# Altium PCB VFD-Clock.PcbDoc (part 1 of 2)
Units mm, origin at the board's own origin, x right, y up, seen from the top; angles counter-clockwise.
Board outline 190 x 65 mm, 2 copper layers (Top Layer, Bottom Layer); 129 components, 178 nets, 743 pads, 391 vias.
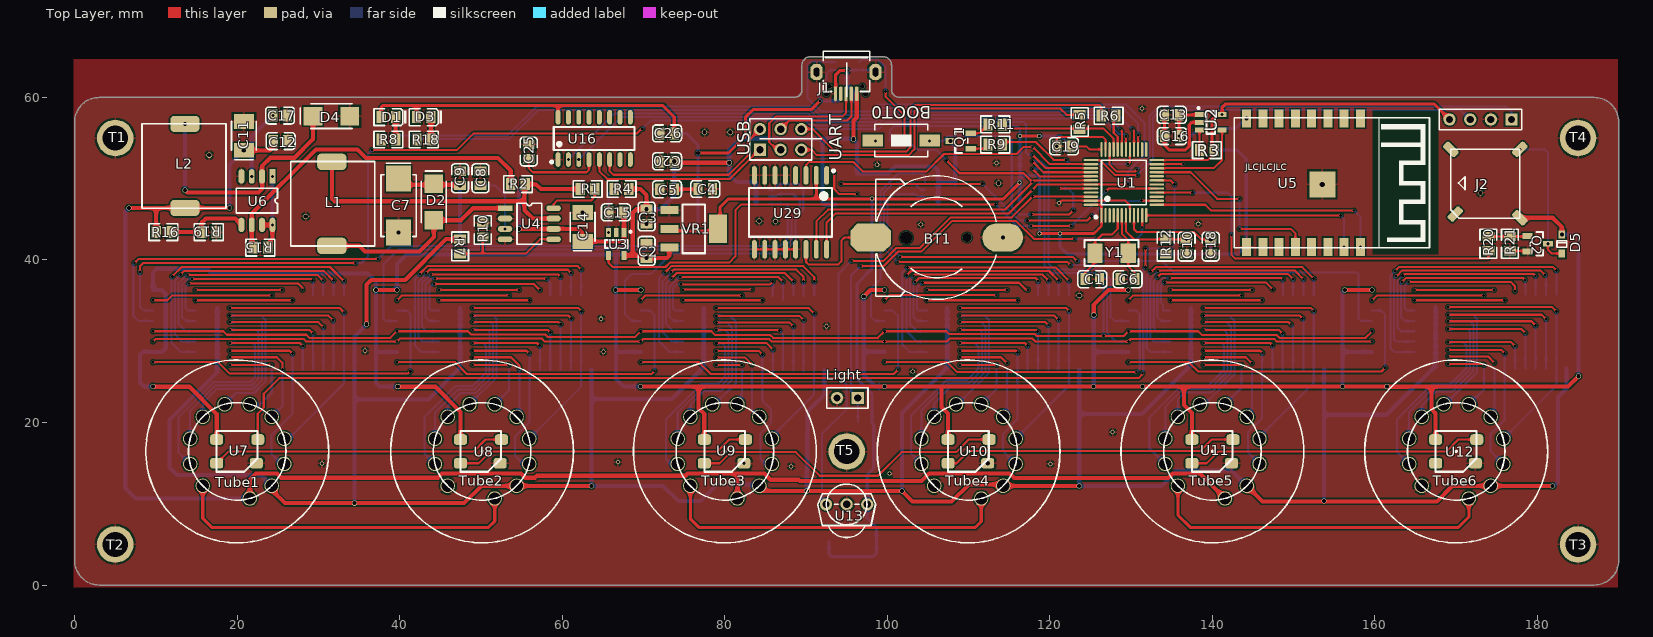
[diagram p0: Top Layer view]
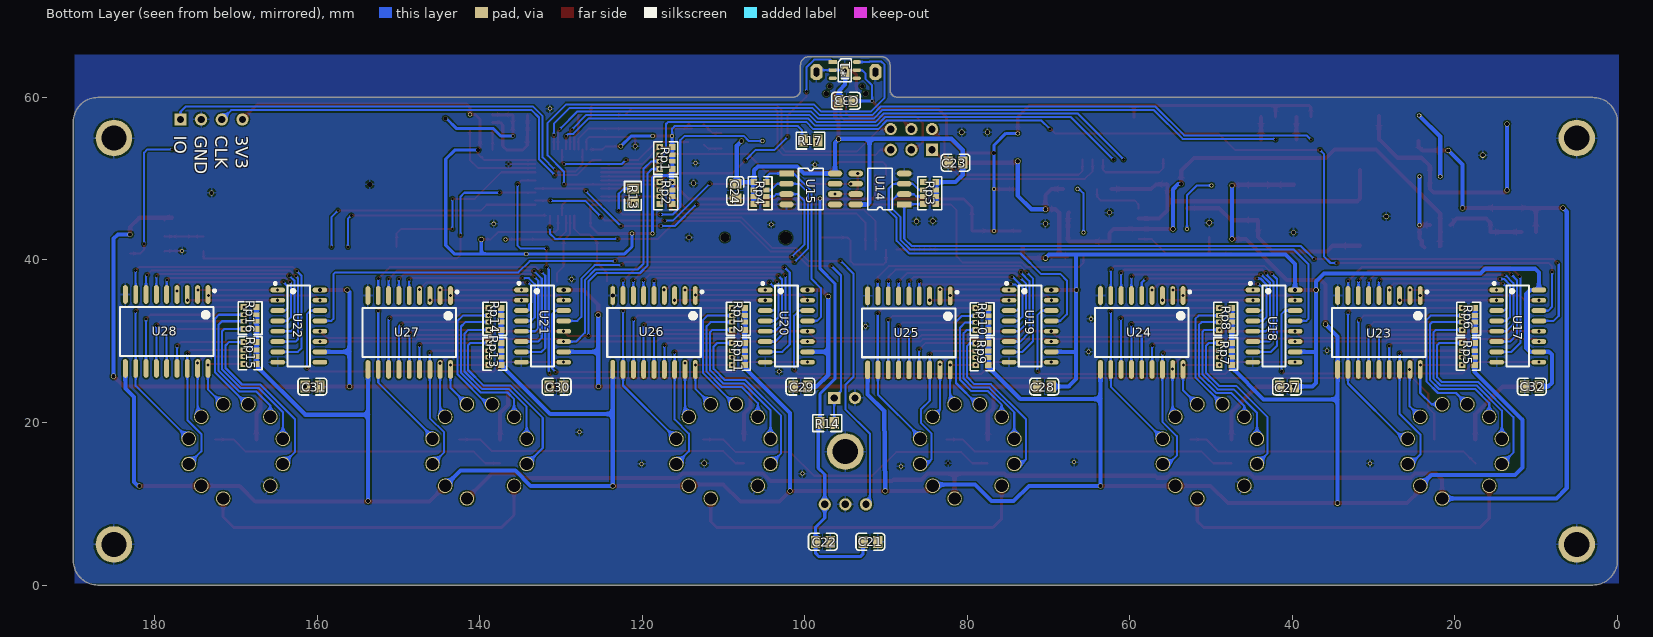
[diagram p1: Bottom Layer view, seen from below]
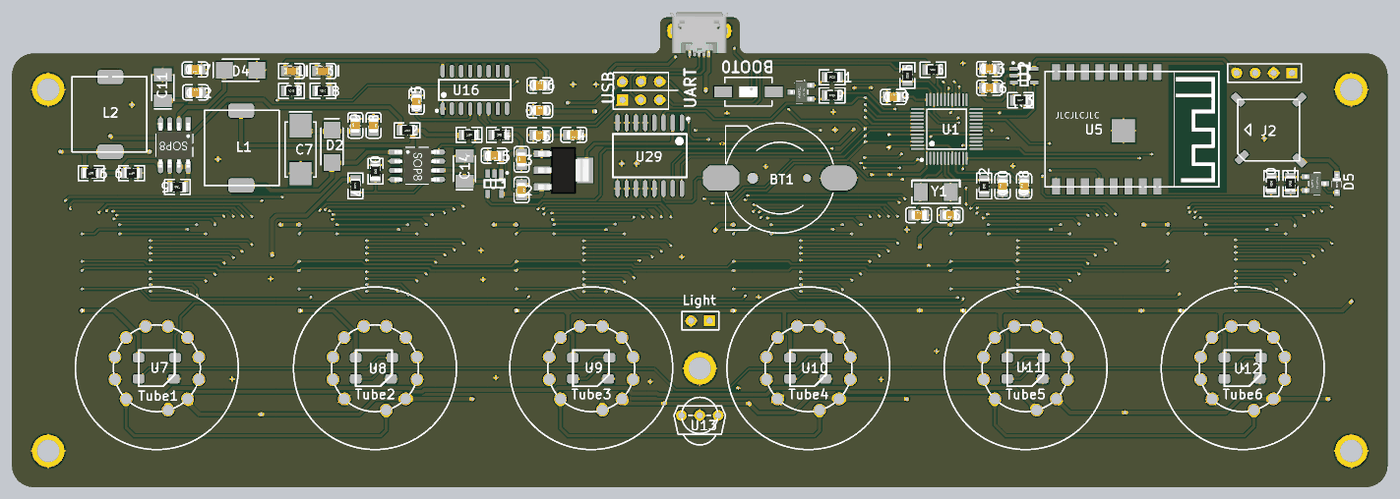
[diagram p3: 3D render of the assembled board from above, using the file's embedded part models]
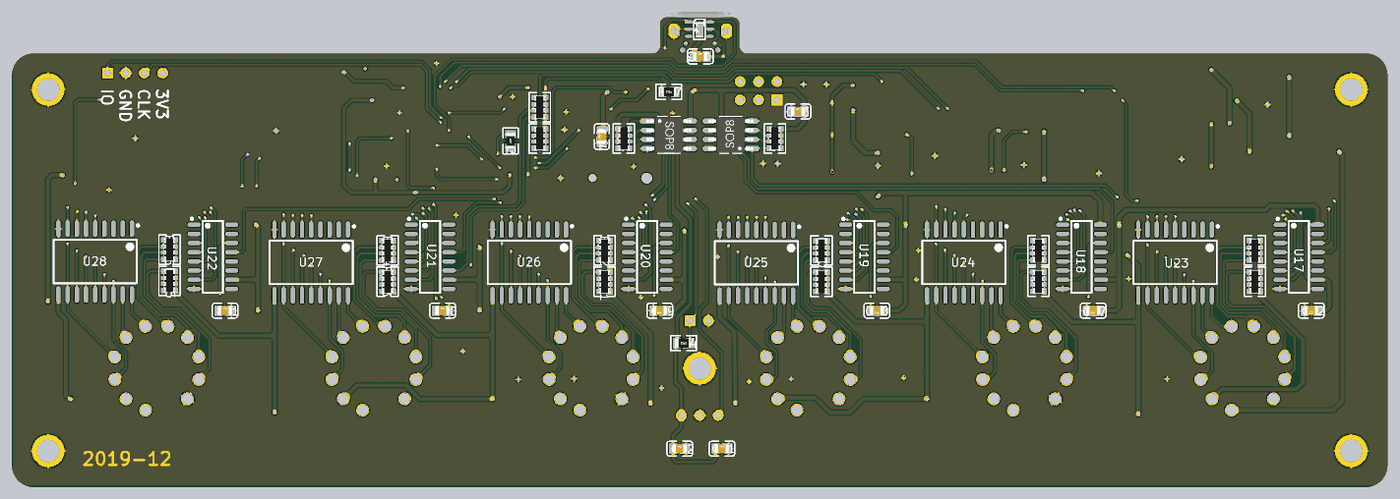
[diagram p4: 3D render of the assembled board from below, using the file's embedded part models]

## Layer stack, top to bottom
Top Solder: solder mask 0.0102, Solder Resist, Dk 3.5
Top Layer: signal copper 0.0356
Dielectric1: dielectric 0.32, FR-4, Dk 4.8
Bottom Layer: signal copper 0.0356
Bottom Solder: solder mask 0.0102, Solder Resist, Dk 3.5

## Board outline
3,0 cw(c3,3) 0,3 0,57 cw(c3,57) 3,60 88.5,60 ccw(c88.5,61) 89.5,61 89.5,64 cw(c90.5,64) 90.5,65 99.519,65 cw(c99.519,64) 100.519,64 100.519,61 ccw(c101.519,61) 101.519,60 187,60 cw(c187,57) 190,57 190,3 cw(c187,3) 187,0

## Design rules (kind name [scope] priority, off if disabled: settings)
Clearance [All] p1: gap=0.178 ignorepadtopadclearanceinfootprint=FALSE
ComponentClearance [All] p1: gap=1.27 collisioncheckmode=3 verticalgap=1.27 showdistances=FALSE
DiffPairsRouting [All] p1: maxlimit=0.381 minlimit=0.254 mostfreqgap=0.254 toplayer_minwidth=0.381 toplayer_maxwidth=0.381 toplayer_prefwidth=0.381 bottomlayer_minwidth=0.381 bottomlayer_maxwidth=0.381 bottomlayer_prefwidth=0.381 maxuncoupledlength=12.7
Height [All] p1: minheight=0 maxheight=50.8 prefheight=12.7
PolygonConnect [All] p1: connectstyle=Relief reliefconductorwidth=0.254 reliefentries=4 polygonreliefangle="90 Angle" airgapwidth=0.254
RoutingVias [All] p1: holewidth=0.711 width=1.27 viastyle="Through Hole" minholewidth=0.711 minwidth=1.27 maxholewidth=0.711 maxwidth=1.27
SolderMaskExpansion [All] p1: expansion=0.102
Width [All] p1: maxlimit=0.762 minlimit=0.178 preferedwidth=0.254
27 further rules are at their usual default settings.

## Classes and differential pairs
differential pair USB: +USB_P -USB_N

## Components (designator, comment, footprint, x,y, rotation, side; value= is the part's Value field where it differs from the comment)
*1 "SHT20" DFN6 93.65,62.382 r0 bottom
BOOT0 "SW-PB" SW_PB2_A1 101.778,54.712 r90 top (schematic designator S2)
BT1 "Battery" CR1220 106.07,42.762 r270 top
C1 "20pF" 0805_C 125.223,37.631 r0 top
C2 "100nF" 0805_C 70.385,41.111 r270 top
C3 "10uF" 0805_C 70.385,45.352 r90 top
C4 "10uF" 0805_C 77.598,48.731 r180 top
C5 "100nF" 0805_C 72.898,48.705 r0 top
C6 "20pF" 0805_C 129.567,37.631 r180 top
C7 "100uF/35V" CAP-7343 39.854,46.699 r270 top
C8 "470pF" 0805_C 49.938,50.051 r270 top
C9 "100nF" 0805_C 47.423,50.051 r90 top
C10 "100nF" 0805_C 136.831,41.644 r90 top
C11 "220uF/6.3V" CAP-3528 20.829,55.258 r90 top
C12 "100nF" 0805_C 25.35,54.623 r0 top
C13 "10uF" 0805_C 135.001,57.861 r180 top
C14 "220uF/6.3V" CAP-3528 62.511,44.057 r90 top
C15 "100nF" 0805_C 66.6,45.86 r180 top
C16 "100nF" 0805_C 135.026,55.248 r180 top
C17 "470pF" 0805_C 25.274,57.773 r180 top
C18 "100nF" 0805_C 139.803,41.644 r90 top
C19 "100nF" 0805_C 121.743,53.988 r0 top
C20 "10uF" 0805_C 72.898,52.14 r0 top
C21 "10uF" 0805_C 91.924,5.322 r180 bottom
C22 "100nF" 0805_C 97.766,5.322 r180 bottom
C23 "100nF" 0805_C 81.44,51.97 r180 bottom
C24 "100nF" 0805_C 108.534,48.489 r90 bottom
C25 "100nF" 0805_C 55.88,53.34 r270 top
C26 "100nF" 0805_C 72.898,55.575 r0 top
C27 "100nF" 0805_C 40.657,24.423 r0 bottom
C28 "100nF" 0805_C 70.525,24.423 r0 bottom
C29 "100nF" 0805_C 100.525,24.423 r0 bottom
C30 "100nF" 0805_C 130.525,24.423 r180 bottom
C31 "100nF" 0805_C 160.581,24.423 r180 bottom
C32 "100nF" 0805_C 10.525,24.423 r0 bottom
C33 "100nF" 0805_C 94.92,59.588 r180 bottom
D1 "红灯" 0805_LED_S1 38.61,57.578 r180 top
D2 "FR107" DIODE-SMA 44.197,44.891 r90 top
D3 "蓝灯" 0805_LED_S1 42.953,57.57 r180 top
D4 "FR107" DIODE-SMA 33.834,57.697 r180 top
D5 "1N4148WS T4" SOD-323 183.008,41.974 r270 top
J1 "USB_M" USB_Micro2 94.927,60.469 r180 top
J2 "BEEP" BEEP-SMD-8530-3V-2.7KHZ 169.327,45.145 r0 top
L1 "220uH" CDRH104R 26.595,52.109 r0 top
L2 "220uH" CDRH104R 18.619,46.382 r180 top
Light "Light Resister" HDR2X1_A 96.352,23.026 r180 top (schematic designator P2)
P1 "JumpHat" HDR2X3 84.334,53.564 r0 top
P3 "Header 4" HDR4X1_A 176.811,57.29 r180 top
Q1 "A42" SOT-23(SOT-23-3) 109.01,54.649 r0 top
Q2 "A42" SOT-23(SOT-23-3) 180.036,41.999 r180 top
R1 "100Ω" 0805_R 63.12,48.731 r180 top
R2 "0.33Ω" 0805_R 54.56,49.34 r180 top
R3 "10KΩ" 0805_R 139.319,53.518 r0 top
R4 "10KΩ" 0805_R 67.311,48.731 r0 top
R5 "10Ω" 0805_R 123.673,56.972 r270 top
R6 "10Ω" 0805_R 127.229,57.753 r180 top
R7 "47kΩ" 0805_R 47.423,41.669 r90 top
R8 "1KΩ" 0805_R 38.609,54.827 r180 top
R9 "1KΩ" 0805_R 113.279,54.197 r180 top
R10 "2K2" 0805_R 50.217,43.684 r270 top
R11 "1.5KΩ" 0805_R 113.279,56.686 r0 top
R12 "1KΩ" 0805_R 134.266,41.644 r270 top
R13 "10KΩ" 0805_R 121.134,47.892 r90 bottom
R14 "1KΩ" 0805_R 97.232,19.927 r0 bottom
R15 "0.33Ω" 0805_R 22.86,41.528 r180 top
R16 "3.3KΩ" 0805_R 10.922,43.434 r180 top
R17 "1KΩ" 0805_R 99.289,54.686 r0 bottom
R18 "1KΩ" 0805_R 42.965,54.827 r180 top
R19 "3.3KΩ" 0805_R 16.51,43.434 r180 top
R20 "1KΩ" 0805_R 173.966,41.999 r90 top
R21 "1KΩ" 0805_R 176.607,41.999 r90 top
Rp1 "4.7KΩ" 0603_Rx4 117.095,52.541 r270 bottom
Rp2 "4.7KΩ" 0603_Rx4 117.095,48.223 r270 bottom
Rp3 "4.7KΩ" 0603_Rx4 84.613,48.223 r270 bottom
Rp4 "4.7KΩ" 0603_Rx4 105.487,48.223 r90 bottom
Rp5 "4.7KΩ" 0603_Rx4 18.323,28.432 r90 bottom
Rp6 "4.7KΩ" 0603_Rx4 18.315,32.754 r90 bottom
Rp7 "4.7KΩ" 0603_Rx4 48.21,28.432 r90 bottom
Rp8 "4.7KΩ" 0603_Rx4 48.21,32.754 r90 bottom
Rp9 "4.7KΩ" 0603_Rx4 78.181,28.407 r90 bottom
Rp10 "4.7KΩ" 0603_Rx4 78.181,32.729 r90 bottom
Rp11 "4.7KΩ" 0603_Rx4 108.154,28.432 r90 bottom
Rp12 "4.7KΩ" 0603_Rx4 108.154,32.754 r90 bottom
Rp13 "4.7KΩ" 0603_Rx4 138.124,28.432 r90 bottom
Rp14 "4.7KΩ" 0603_Rx4 138.124,32.754 r90 bottom
Rp15 "4.7KΩ" 0603_Rx4 168.245,28.534 r90 bottom
Rp16 "4.7KΩ" 0603_Rx4 168.245,32.856 r90 bottom
T1 "M3铜柱螺丝孔" 螺丝孔-3mm#1 5.437,68.466 r0 top
T2 "M3铜柱螺丝孔" 螺丝孔-3mm#2 11.406,68.466 r0 top
T3 "M3铜柱螺丝孔" 螺丝孔-3mm#3 17.375,68.466 r0 top
T4 "M3铜柱螺丝孔" 螺丝孔-3mm#4 23.344,68.466 r0 top
T5 "M3铜柱螺丝孔" 螺丝孔-3mm#5 29.313,68.466 r0 top
Tube1 "IV-11" IV-11-1 20.006,16.444 r0 top
Tube2 "IV-11" IV-11-1 50.138,16.444 r0 top
Tube3 "IV-11" IV-11-1 80.006,16.444 r0 top
Tube4 "IV-11" IV-11-1 110.006,16.444 r0 top
Tube5 "IV-11" IV-11-1 140.006,16.444 r0 top
Tube6 "IV-11" IV-11-1 170.006,16.444 r0 top
U1 "STM32F103C8T6" LQFP-48_7x7x05P 129.109,49.543 r0 top
U2 "SY6288CAAC" SOT-23-5 138.305,58.681 r180 top
U3 "SY6288CAAC" SOT-23-5 68.4,43.471 r90 top
U4 "MC34063A" SOP-8 52.96,46.365 r0 top
U5 "ESP-12S" ESP-12S/SMD-16 151.258,49.62 r270 top
U6 "MC34063A" SOP-8 24.334,50.283 r270 top
U7 "WS2812-LED" WS2812 20.006,16.444 r0 top
U8 "WS2812-LED" WS2812 50.006,16.444 r0 top
U9 "WS2812-LED" WS2812 80.006,16.444 r0 top
U10 "WS2812-LED" WS2812 110.006,16.444 r0 top
U11 "WS2812-LED" WS2812 140.006,16.444 r0 top
U12 "WS2812-LED" WS2812 170.006,16.444 r0 top
U13 "HS0038B" HS0038B 94.997,9.922 r0 top
U14 "TM1803" SOP-8 87.749,46.833 r0 bottom
U15 "TM1803" SOP-8 102.236,50.643 r180 bottom
U16 "CH340C" SOIC-16_150mil 63.933,54.958 r0 top
U17 "74HC595D" SOIC-16_150mil 12.256,31.865 r270 bottom
U18 "74HC595D" SOIC-16_150mil 42.256,31.865 r270 bottom
U19 "74HC595D" SOIC-16_150mil 72.256,31.865 r270 bottom
U20 "74HC595D" SOIC-16_150mil 102.256,31.865 r270 bottom
U21 "74HC595D" SOIC-16_150mil 132.256,31.865 r270 bottom
U22 "74HC595D" SOIC-16_150mil 162.256,31.865 r270 bottom
U23 "ULN2803ADW" SOIC-18_300mil 29.338,31.078 r0 bottom
U24 "ULN2803ADW" SOIC-18_300mil 58.523,31.078 r0 bottom
U25 "ULN2803ADW" SOIC-18_300mil 87.174,31.027 r0 bottom
U26 "ULN2803ADW" SOIC-18_300mil 118.543,31.081 r0 bottom
U27 "ULN2803ADW" SOIC-18_300mil 148.667,31.078 r0 bottom
U28 "ULN2803ADW" SOIC-18_300mil 178.512,31.201 r0 bottom
U29 "DS3231M+TRL" SOIC-16_300mil 88.088,45.86 r180 top
VR1 "AMS1117-3.3" SOT-223 76.176,43.828 r180 top
Y1 "8MHz" SMD-5032_2P 127.611,40.831 r180 top

## Footprints (in the part's own frame and the unit in brackets; to place one, negate y for a bottom-side part, rotate by r counter-clockwise, add the part's x,y. Pads: shape width x height; smd on the part's side, far side on the other; paste and mask are expansions set on the pad)
0603_Rx4 [mm]
  rect 0.75x0.8 smd mask+0.051: 1(-1.35,-0.77) 4(1.35,-0.77) 5(1.35,0.77) 8(-1.35,0.77)
  rect 0.58x0.8 smd mask+0.051: 2(-0.4,-0.77) 3(0.4,-0.77) 6(0.4,0.77) 7(-0.4,0.77)
  silkscreen extent -2.02,-1.47 2.02,1.47, body extent -1.6,-0.8 1.6,0.8, height 0.55
0805_C [mm]
  rect 1.16x1.47 smd: 1(-0.89,0) 2(0.89,0)
  silkscreen extent -1.77,-1.04 1.77,1.04, body extent -1,-0.62 1,0.63, height 0.77
0805_LED_S1 [mm]
  rect 1.16x1.47 smd: A(0.89,0) K(-0.89,0)
  silkscreen extent -2.25,-1.04 1.77,1.04, body extent -1.01,-0.62 1.01,0.62, height 1.1
0805_R [mm]
  rect 1.16x1.47 smd: 1(-0.89,0) 2(0.89,0)
  silkscreen extent -1.77,-1.03 1.77,1.03, body extent -1,-0.62 1,0.63, height 0.49
BEEP-SMD-8530-3V-2.7KHZ [mm]
  rrect50% 2x1 smd rot 135: 1(8.509,0.051) 3(0.025,8.458)
  rrect50% 2x1 smd rot 45: 2(8.509,8.458) 4(0.559,0.508)
  silkscreen extent 0,0 8.51,8.48, body extent 0,0 8.53,8.48, height 3
CAP-3528 [mm]
  rect 1.8x2.5 smd: 1(-1.778,0) 2(1.778,0)
  silkscreen extent -2.92,-1.52 1.78,1.52, body extent -1.91,-1.4 1.91,1.4, height 1.1
CAP-7343 [mm]
  rect 3.2x3.05 smd: 1(-3.302,0) 2(3.302,0)
  silkscreen extent -5.21,-2.16 3.81,2.16, body extent -3.68,-1.91 3.68,1.91, height 2.95
CDRH104R [mm] "10*10*4 贴片?"
  rrect50% 3.6x2 smd: 1(5.055,-0.025) 2(5.055,-10.363)
  silkscreen extent 0,-10.39 10.34,0, body extent -0.02,-10.38 10.38,0.02, height 4.8
CR1220 [mm] "?"
  round 1.1 hole 1.1: 0(0,3.75)
  round 1.5 hole 1.5: 0(0.025,-3.75)
  oct 3.5x5 smd: 1(0,-8.128)
  oval 3.5x5 smd: 2(0,8.128)
  silkscreen extent -7.62,-7.5 7.62,7.36, body extent -7,-7 7,7, height 4
DFN6 [mm]
  rect 1x0.45 smd: 1(2.896,-1.981)
  rect 1.1x1.8 smd: 2(1.397,-0.965)
  oval 1x0.45 smd: 2(2.896,-0.981) 3(2.896,0.019) 4(-0.055,0.019) 5(-0.055,-0.981) 6(-0.055,-1.981)
  silkscreen extent 0.61,-2.36 2.2,0.43, body extent -0.09,-2.46 2.93,0.54, height 1.1
DIODE-SMA [mm] "贴?"
  rect 2.3x2.3 smd: 1(0,0) 2(4.5,0)
  silkscreen extent -0.29,-1.52 6.06,1.52, body extent -0.67,-1.4 5.17,1.4, height 3
ESP-12S/SMD-16 [mm] "ESP8266 串口W"
  rect 2.2x1.1 smd: 1(-7.798,6.949) 2(-7.798,4.949) 3(-7.798,2.949) 4(-7.798,0.949) 5(-7.798,-1.051) 6(-7.798,-3.051) 7(-7.798,-5.051) 8(-7.798,-7.051) 9(8.002,-7.051) 10(8.002,-5.051) 11(8.002,-3.051) 12(8.002,-1.051) 13(8.002,0.949) 14(8.002,2.949) 15(8.002,4.949) 16(8.002,6.949)
  rect 3.2x3.2 smd: 9(0.322,2.271)
  silkscreen extent -7.9,-8.55 8.1,15.45, body extent 4.44,11.56 4.44,11.56, height 1.5
HDR2X1_A [mm] "Connector; Header; 2 Positi"
  rect 1.5x1.5 hole 0.9: 1(0,0)
  round 1.5 hole 0.9: 2(2.54,0)
  silkscreen extent -1.27,-1.27 3.81,1.27
HDR2X3 [mm] "Connector; Header; 3x2 Position"
  rect 1.5x1.5 hole 0.9: 1(0,0)
  round 1.5 hole 0.9: 2(0,2.54) 3(2.54,0) 4(2.54,2.54) 5(5.08,0) 6(5.08,2.54)
  silkscreen extent -1.27,-1.27 6.35,3.81
HDR4X1_A [mm] "Connector; Header; 4 Positi"
  rect 1.5x1.5 hole 0.9: 1(0,0)
  round 1.5 hole 0.9: 2(2.54,0) 3(5.08,0) 4(7.62,0)
  silkscreen extent -1.27,-1.27 8.89,1.27
HS0038B [mm] "?"
  round 1.5 hole 0.9: 1(-2.54,0) 2(0,0) 3(2.54,0)
  silkscreen extent -3.56,-4.08 3.56,1.3
IV-11-1 [mil] "?"
  round 70 hole 60: 1(61.14,-228.17) 2(167.03,-167.03) 3(228.17,-61.14) 4(228.17,61.14) 5(167.03,167.03) 6(61.14,228.17) 7(-61.14,228.17) 8(-167.03,167.03) 9(-228.17,61.14) 10(-228.17,-61.14) 11(-167.03,-167.03)
  silkscreen extent -443,-443 443,443
LQFP-48_7x7x05P [mm]
  oval 0.28x1.8 smd mask+0.051: 1(-2.75,-4.05) 2(-2.25,-4.05) 3(-1.75,-4.05) 4(-1.25,-4.05) 5(-0.75,-4.05) 6(-0.25,-4.05) 7(0.25,-4.05) 8(0.75,-4.05) 9(1.25,-4.05) 10(1.75,-4.05) 11(2.25,-4.05) 12(2.75,-4.05) 25(2.75,4.05) 26(2.25,4.05) 27(1.75,4.05) 28(1.25,4.05) 29(0.75,4.05) 30(0.25,4.05) 31(-0.25,4.05) 32(-0.75,4.05) 33(-1.25,4.05) 34(-1.75,4.05) 35(-2.25,4.05) 36(-2.75,4.05)
  oval 1.8x0.28 smd mask+0.051: 13(4.05,-2.75) 14(4.05,-2.25) 15(4.05,-1.75) 16(4.05,-1.25) 17(4.05,-0.75) 18(4.05,-0.25) 19(4.05,0.25) 20(4.05,0.75) 21(4.05,1.25) 22(4.05,1.75) 23(4.05,2.25) 24(4.05,2.75) 37(-4.05,2.75) 38(-4.05,2.25) 39(-4.05,1.75) 40(-4.05,1.25) 41(-4.05,0.75) 42(-4.05,0.25) 43(-4.05,-0.25) 44(-4.05,-0.75) 45(-4.05,-1.25) 46(-4.05,-1.75) 47(-4.05,-2.25) 48(-4.05,-2.75)
  silkscreen extent -3.6,-4.42 2.75,2.75, body extent -4.6,-4.6 4.6,4.6, height 1.4
SMD-5032_2P [mm]
  rect 1.9x2.4 smd: 1(-2.05,0) 2(2.05,0)
  silkscreen extent -3.33,-1.6 3.33,1.6
SOD-323 [mm]
  rect 1x0.83 smd: 1(1.18,0) 2(-1.18,0)
  silkscreen extent -0.4,-0.6 0.4,0.6, body extent -1.35,-0.62 1.35,0.63, height 1.1
SOIC-16_150mil [mm]
  oval 0.6x1.8 smd: 1(-4.445,-2.6) 2(-3.175,-2.6) 3(-1.905,-2.6) 4(-0.635,-2.6) 5(0.635,-2.6) 6(1.905,-2.6) 7(3.175,-2.6) 8(4.445,-2.6) 9(4.445,2.6) 10(3.175,2.6) 11(1.905,2.6) 12(0.635,2.6) 13(-0.635,2.6) 14(-1.905,2.6) 15(-3.175,2.6) 16(-4.445,2.6)
  silkscreen extent -5.4,-3.05 4.97,1.4, body extent -4.95,-3 5.05,3.2, height 1.75
SOIC-16_300mil [mm]
  oval 0.6x2.3 smd: 1(-4.445,-4.55) 2(-3.175,-4.55) 3(-1.905,-4.55) 4(-0.635,-4.55) 5(0.635,-4.55) 6(1.905,-4.55) 7(3.175,-4.55) 8(4.445,-4.55) 9(4.445,4.55) 10(3.175,4.55) 11(1.905,4.55) 12(0.635,4.55) 13(-0.635,4.55) 14(-1.905,4.55) 15(-3.175,4.55) 16(-4.445,4.55)
  silkscreen extent -5.45,-5.25 5.1,3, body extent -5.26,-4.9 5.24,4.9, height 1.75
SOIC-18_300mil [mm]
  oval 0.6x2.3 smd: 1(-5.08,-4.55) 2(-3.81,-4.55) 3(-2.54,-4.55) 4(-1.27,-4.55) 5(0,-4.55) 6(1.27,-4.55) 7(2.54,-4.55) 8(3.81,-4.55) 9(5.08,-4.55) 10(5.08,4.55) 11(3.81,4.55) 12(2.54,4.55) 13(1.27,4.55) 14(0,4.55) 15(-1.27,4.55) 16(-2.54,4.55) 17(-3.81,4.55) 18(-5.08,4.55)
  silkscreen extent -6.05,-5.15 5.75,3, body extent -5.7,-4.8 5.9,5, height 1.75
SOP-8 [mm]
  rect 1.78x0.72 smd: 1(0,0)
  oval 1.78x0.72 smd: 2(0,-1.27) 3(0,-2.54) 4(0,-3.81) 5(5.972,-3.81) 6(5.972,-2.54) 7(5.972,-1.27) 8(5.972,0)
  silkscreen extent 1.47,-4.44 4.5,0.64, body extent -0.13,-4.42 6.07,0.58, height 1.75
SOT-23(SOT-23-3) [mm]
  rect 1.25x0.7 smd: 1(1.25,-0.95) 2(1.25,0.95) 3(-1.25,0)
  silkscreen extent -0.65,-1.46 0.9,1.46, body extent -1.5,-1.5 1.5,1.5, height 1.3
SOT-23-5 [mm]
  rect 1.1x0.6 smd: 1(-0.1,0.799) 2(-0.1,1.749) 3(-0.1,2.699) 4(-2.9,2.699) 5(-2.9,0.799)
  silkscreen extent -2,-0.13 0.12,3.15
SOT-223 [mm]
  rect 2.2x1 smd: 1(3,-2.3) 2(3,0) 3(3,2.3)
  rect 2.2x3.5 smd: 2(-3,0)
  silkscreen extent -1.4,-3 1.4,3, body extent -3.49,-3.24 3.49,3.24, height 1.64
SW_PB2_A1 [mm]
  rect 1.5x2.5 smd: 1(0,3.556) 2(0,-3.444)
  silkscreen extent -2,-3.19 2,3.31, body extent -2.03,-3.17 2.03,3.3, height 1.2
USB_Micro2 [mm] "兼容插孔"
  oct 1.5x2 hole 1.1 slot 0.7 at 0 deg: 0(-3.625,-2.65) 0(3.625,-2.65)
  oct 0.4x1.8 smd: 1(-1.3,0) 2(-0.65,0) 3(0,0) 4(0.65,0) 5(1.3,0)
  round 0.7 hole 0.7: ""(-2.425,0) ""(2.422,0)
  round 0.54 hole 0.54: ""(-2,-0.9) ""(2,-0.9)
  silkscreen extent -2.92,-5.21 2.79,-0.25, body extent -4.05,-5.21 4.05,0.42, height 2.85
WS2812 [mm]
  rrect50% 1.6x1.3 smd: 1(-2.527,1.46) 2(-2.527,-1.46) 3(2.35,-1.46) 4(2.527,1.46)
  silkscreen extent -2.53,-2.5 2.48,2.5, body extent -2.53,-2.5 2.48,2.5, height 2
螺丝孔-3mm#1 [mm]
  round 4.5 hole 3.1: 1(-0.437,-13.467)
螺丝孔-3mm#2 [mm]
  round 4.5 hole 3.1: 1(-6.406,-63.467)
螺丝孔-3mm#3 [mm]
  round 4.5 hole 3.1: 1(167.625,-63.467)
螺丝孔-3mm#4 [mm]
  round 4.5 hole 3.1: 1(161.656,-13.467)
螺丝孔-3mm#5 [mm]
  round 4.5 hole 3.1: 1(65.694,-52.045)
